# Altium PCB ToneReal_Adapter_v1.1.PcbDoc
Units mm, origin at the board's own origin, x right, y up, seen from the top; angles counter-clockwise.
Board outline 66 x 20 mm, 2 copper layers (Top Layer, Bottom Layer); 36 components, 22 nets, 142 pads, 37 vias.
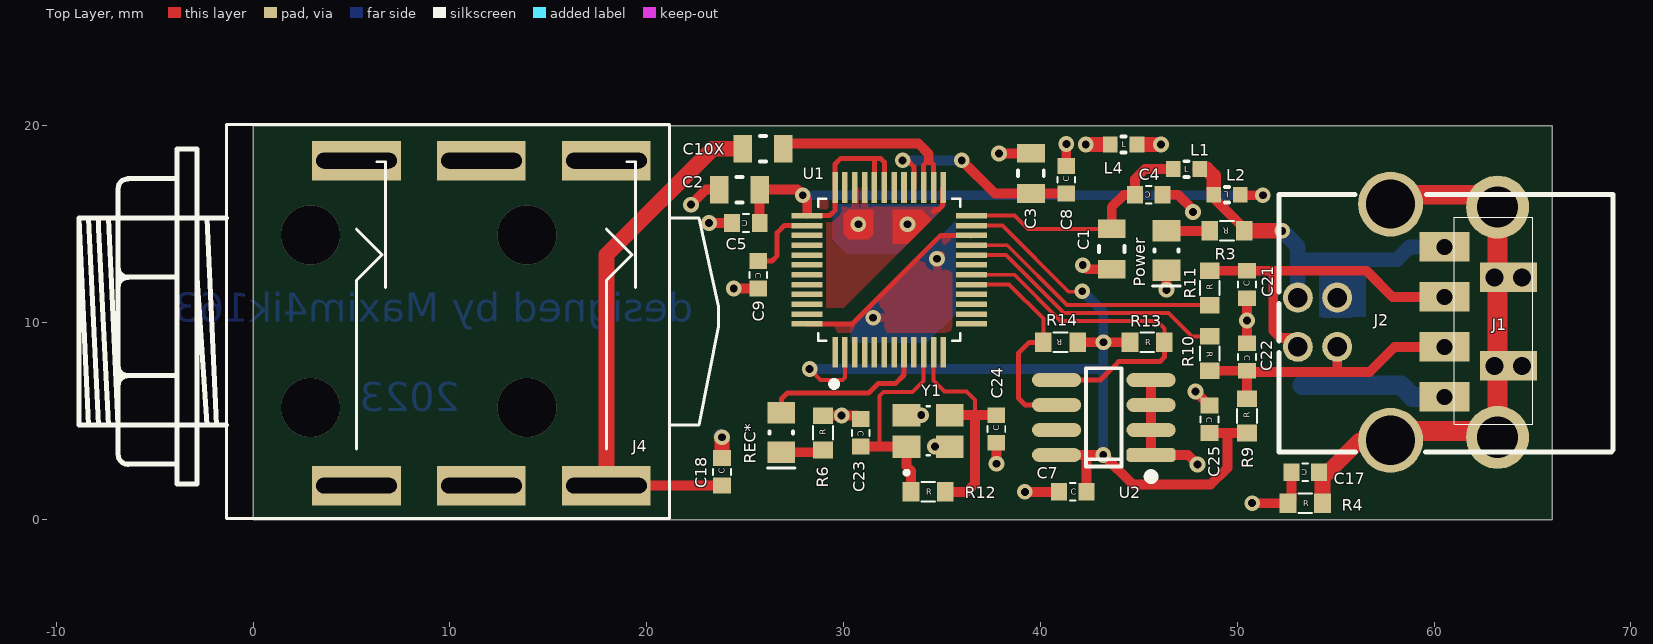
[diagram p0: Top Layer view]
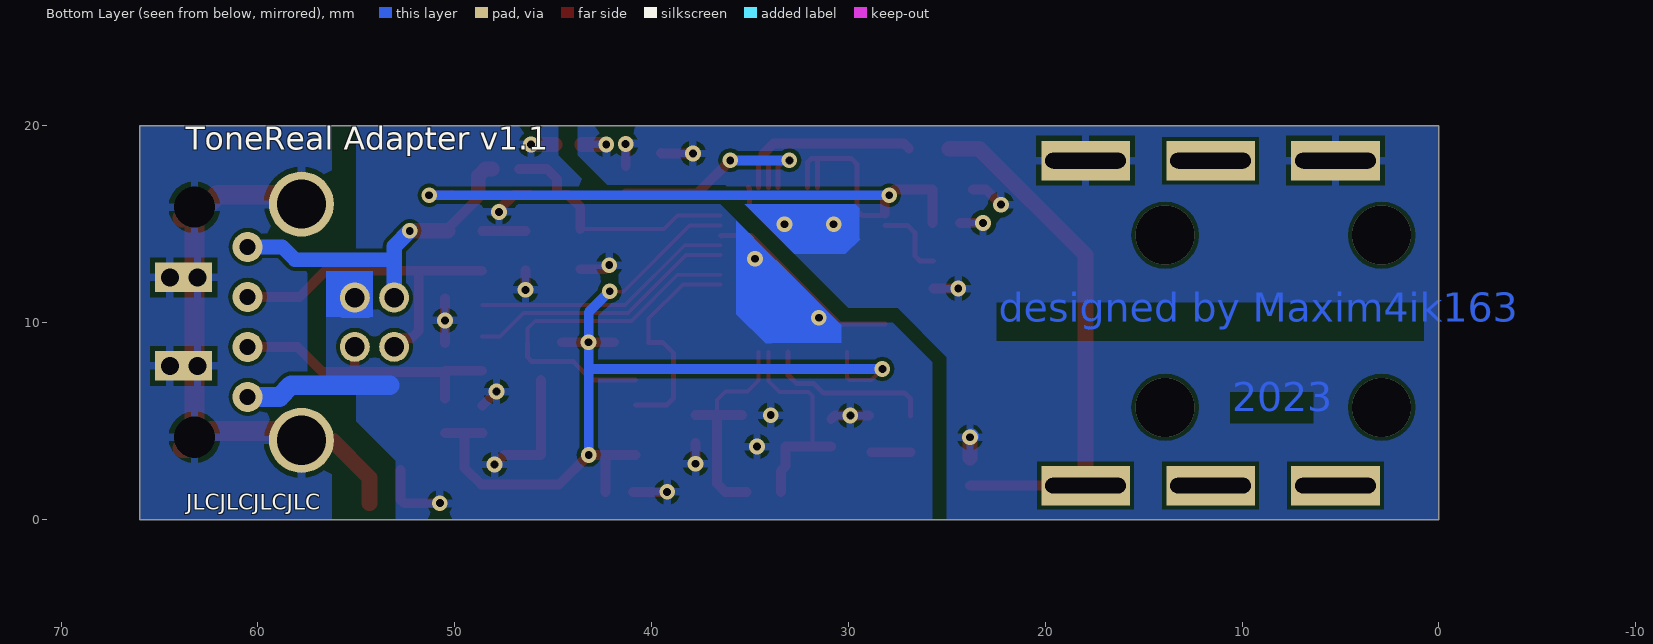
[diagram p1: Bottom Layer view, seen from below]

## Layer stack, top to bottom
Top Solder: solder mask 0.0102, Solder Resist, Dk 3.5
Top Layer: signal copper 0.0356
Dielectric1: dielectric 0.32, FR-4, Dk 4.8
Bottom Layer: signal copper 0.0356
Bottom Solder: solder mask 0.0102, Solder Resist, Dk 3.5

## Board outline
0,0 66,0 66,20 0,20

## Design rules (kind name [scope] priority, off if disabled: settings)
Clearance Clearance_1 [(IsRegion) vs (IsText)] p1: gap=0 ignorepadtopadclearanceinfootprint=FALSE
Clearance [All] p2: gap=0.2 ignorepadtopadclearanceinfootprint=FALSE except(0: Arc-Hole Track-Hole SMDPad-Hole THPad-Hole Via-Hole Fill-Hole Poly-Hole Region-Hole Text-Hole)
ComponentClearance [NOT(InComponent('J1') or InComponent('J2')) vs NOT(InComponent('J1') or InComponent('J2'))] p1: gap=0.254 collisioncheckmode=3 verticalgap=0.254 showdistances=FALSE
HoleSize [All] p1: absolutevalues=TRUE maxlimit=5 minlimit=0.025 maxpercent=80.000 minpercent=20.000
MinimumSolderMaskSliver [All] p1: minsoldermaskwidth=0.01
PlaneConnect [All] p1: planeconnectstyle=Relief reliefexpansion=0.508 reliefentries=4 reliefconductorwidth=0.4 reliefairgap=0.2
PolygonConnect [All] p1: connectstyle=Relief reliefconductorwidth=0.4 reliefentries=4 polygonreliefangle="90 Angle" airgapwidth=0.254
RoutingVias [All] p1: holewidth=0.711 width=1.27 viastyle="Through Hole" minholewidth=0.4 minwidth=0.8 maxholewidth=0.711 maxwidth=1.27
SilkToSilkClearance [All] p1: silktosilkclearance=0.054
SilkToSolderMaskClearance SilkscreenOverComponentPads [NOT(InComponent('J4'))] p1: minsilkscreentomaskgap=0.05 clearancetoexposedcopper=TRUE
SolderMaskExpansion [All] p1: expansion=0.102 istentingtop=FALSE
Width [All] p1: maxlimit=1 minlimit=0.2 preferedwidth=0.5 minimp=50.000000 maximp=50.000000 favimp=50.000000
24 further rules are at their usual default settings.

## Components (designator, comment, footprint, x,y, rotation, side; value= is the part's Value field where it differs from the comment)
C1 "22uF/6.3V" "CERCAP SMD0805 (IPC-2012)" 43.62,13.742 r90 top
C2 "22uF/6.3V" "CERCAP SMD0805 (IPC-2012)" 24.708,16.761 r180 top
C3 "22uF/6.3V" "CERCAP SMD0805 (IPC-2012)" 39.519,17.591 r90 top
C4 "100nF" "CERCAP SMD0603L (IPC1608L)" 45.504,16.498 r180 top
C5 "100nF" "CERCAP SMD0603L (IPC1608L)" 25.033,15.065 r180 top
C7 "100nF" "CERCAP SMD0603L (IPC1608L)" 41.642,1.406 r0 top
C8 "100nF" "CERCAP SMD0603L (IPC1608L)" 41.315,17.266 r90 top
C9 "1uF" "CERCAP SMD0603L (IPC1608L)" 25.667,12.433 r270 top
C10X "1uF" "CERCAP SMD0805 (IPC-2012)" 25.905,18.845 r0 top
C17 "4.7nF" "CERCAP SMD0603L (IPC1608L)" 53.455,2.401 r180 top
C18 "100pF" "CERCAP SMD0603L (IPC1608L)" 23.818,2.424 r90 top
C21 "100pF" "CERCAP SMD0603L (IPC1608L)" 50.494,11.942 r90 top
C22 "100pF" "CERCAP SMD0603L (IPC1608L)" 50.494,8.258 r270 top
C23 "20pF" "CERCAP SMD0603L (IPC1608L)" 30.871,4.406 r270 top
C24 "20pF" "CERCAP SMD0603L (IPC1608L)" 37.762,4.606 r90 top
C25 "100pF" "CERCAP SMD0603L (IPC1608L)" 48.586,5.092 r270 top
J1 "USB_A" USBA_1PLAG_NO_3D 60.524,13.85 r270 top
J2 "USB_B" USB-B 55.434,10.025 r270 top
J4 "ST-020/7-0085" "JACK6.3 - duplicate" 11.6,9.979 r90 top
L1 "BLM21PG221SN1" "BLM18P (0603L SIZE)" 47.417,17.804 r0 top
L2 "BLM21PG221SN1" "BLM18P (0603L SIZE)" 49.477,16.504 r180 top
L4 "BLM21PG221SN1" "BLM18P (0603L SIZE)" 44.227,19.053 r0 top
Power "*" SMDLED_0805 46.404,13.667 r90 top
R3 "4k7" "RES smd0603 (IPC-1608)" 49.477,14.667 r180 top
R4 "1M" "RES smd0603 (IPC-1608)" 53.455,0.832 r0 top
R6 "1k" "RES smd0603 (IPC-1608)" 28.951,4.406 r90 top
R9 "1k5" "RES smd0603 (IPC-1608)" 50.494,5.267 r90 top
R10 "22" "RES smd0603 (IPC-1608)" 48.608,8.433 r270 top
R11 "22" "RES smd0603 (IPC-1608)" 48.602,11.767 r90 top
R12 "1M" "RES smd0603 (IPC-1608)" 34.295,1.406 r0 top
R13 "2k2" "RES smd0603 (IPC-1608)" 45.422,9.007 r0 top
R14 "2k2" "RES smd0603 (IPC-1608)" 41.02,9.007 r180 top
REC* "REC*" SMDLED_0805 26.837,4.418 r90 top (schematic designator D1)
U1 "CM6327A" QFP50P900X900X160-48N 32.318,12.687 r90 top
U2 "24C02" SOIC-8 43.22,5.188 r180 top
Y1 "*" XTAL_3225 34.295,4.506 r90 top

## Footprints (in the part's own frame and the unit in brackets; to place one, negate y for a bottom-side part, rotate by r counter-clockwise, add the part's x,y. Pads: shape width x height; smd on the part's side, far side on the other; paste and mask are expansions set on the pad)
"BLM18P (0603L SIZE)" [mm] "Chip Inductor, 2-Leads, Body 1,6x0,8mm, IPC High Density"
  rect 0.75x0.8 smd: 1(-0.675,0) 2(0.675,0)
  silkscreen extent -0.1,-0.4 0.1,0.4, body extent -0.85,-0.43 0.85,0.43, height 0.8
"CERCAP SMD0603L (IPC1608L)" [mm] "Chip Capacitor, Body 1.6x0.8mm, IPC High Density"
  rect 0.8x0.9 smd: 1(-0.7,0) 2(0.7,0)
  silkscreen extent -0.15,-0.45 0.15,0.45, body extent -0.8,-0.4 0.8,0.4, height 0.9
"CERCAP SMD0805 (IPC-2012)" [mm] "Chip Capacitor, 2-Leads, Body 2,0x1,3mm, IPC Medium Density"
  rect 0.95x1.4 smd: 1(-1.025,0) 2(1.025,0)
  silkscreen extent -0.15,-0.65 0.15,0.65, body extent -1,-0.63 1,0.63, height 1.3
"JACK6.3 - duplicate" [mm]
  rect 2x4.5 hole 0.8 slot 4.1 at 90 deg: 1(-8.255,6.35) 2(-8.255,0) 3(-8.255,-6.35) 4(8.255,6.35) 5(8.255,0) 6(8.255,-6.35)
  silkscreen extent -9.93,-12.04 10.08,20.45, body extent -9.97,-12.3 10.07,20.4, height 15.49
QFP50P900X900X160-48N [mm]
  rect 1.56x0.28 smd: 1(-4.18,2.75) 2(-4.18,2.25) 3(-4.18,1.75) 4(-4.18,1.25) 5(-4.18,0.75) 6(-4.18,0.25) 7(-4.18,-0.25) 8(-4.18,-0.75) 9(-4.18,-1.25) 10(-4.18,-1.75) 11(-4.18,-2.25) 12(-4.18,-2.75) 25(4.18,-2.75) 26(4.18,-2.25) 27(4.18,-1.75) 28(4.18,-1.25) 29(4.18,-0.75) 30(4.18,-0.25) 31(4.18,0.25) 32(4.18,0.75) 33(4.18,1.25) 34(4.18,1.75) 35(4.18,2.25) 36(4.18,2.75)
  rect 0.28x1.56 smd: 13(-2.75,-4.18) 14(-2.25,-4.18) 15(-1.75,-4.18) 16(-1.25,-4.18) 17(-0.75,-4.18) 18(-0.25,-4.18) 19(0.25,-4.18) 20(0.75,-4.18) 21(1.25,-4.18) 22(1.75,-4.18) 23(2.25,-4.18) 24(2.75,-4.18) 37(2.75,4.18) 38(2.25,4.18) 39(1.75,4.18) 40(1.25,4.18) 41(0.75,4.18) 42(0.25,4.18) 43(-0.25,4.18) 44(-0.75,4.18) 45(-1.25,4.18) 46(-1.75,4.18) 47(-2.25,4.18) 48(-2.75,4.18)
  silkscreen extent -5.95,-3.6 3.6,3.6, body extent -4.5,-4.5 4.5,4.5, height 1.6
"RES smd0603 (IPC-1608)" [mm] "Chip Resistor, 2-Leads, Body 1,6x0,8mm, IPC Medium Density"
  rect 0.85x1 smd: 1(-0.875,0) 2(0.875,0)
  silkscreen extent -0.35,-0.5 0.35,0.5, body extent -0.8,-0.45 0.8,0.45, height 0.5
SMDLED_0805 [mm]
  rect 1.1x1.4 smd: 1(-1,0) 2(1,0)
  silkscreen extent -1.8,-0.7 0.05,0.7, body extent -1,-0.6 1,0.65, height 0.81
SOIC-8 [mm] "MAX522,SN65HVD11DR"
  rrect50% 2.5x0.7 smd: 1(-2.4,1.905)
  oval 2.5x0.7 smd: 2(-2.4,0.635) 3(-2.4,-0.635) 4(-2.4,-1.905) 5(2.4,-1.905) 6(2.4,-0.635) 7(2.4,0.635) 8(2.4,1.905)
  silkscreen extent -2.53,-2.5 0.9,3.13, body extent -2.99,-2.44 3.01,2.46, height 1.75
USB-B [mm]
  round 3.3 hole 2.5: 0(-6,2.355) 0(6,2.355)
  round 1.524 hole 1: 1(-1.25,-2.355) 2(1.25,-2.355) 3(1.25,-0.355) 4(-1.25,-0.355)
  silkscreen extent -6.5,-3.3 6.6,13.66, body extent -7.49,-3.8 7.45,12.7, height 11.25
USBA_1PLAG_NO_3D [mm]
  round 3.2 / inner round 1.524 / far side round 1.524 hole 2.1: 0(-2.025,2.7) 0(9.675,2.7)
  rect 1.499x1.499 hole 0.9: 0(1.549,3.946) 0(1.549,2.548) 0(6.044,2.548) 0(6.044,3.946)
  rect 1.5x2.54 / inner round 1.524 / far side round 1.524 hole 0.8: 1(0,0) 2(2.54,0) 3(5.08,0) 4(7.62,0)
  silkscreen extent -1.5,0.5 9,4.5
XTAL_3225 [mm]
  rect 1.15x1.4 smd: 1(-0.8,1.1) 2(-0.8,-1.1) 3(0.8,-1.1) 4(0.8,1.1)
  silkscreen extent -2.22,-0.08 1.25,1.2, body extent -1.6,-1.25 1.6,1.25, height 0.6

## Part data
C1 C2 C3 C4 C5 C7 C8 C9 C10X C17 C18 C21 C22 C23 C24 C25: library part "Cap Semi", "Capacitor (Semiconductor SIM Model)"
J1 J2: library part USB
J4: library part JACK6.3_MONO_R, "JACK6.3_MONO_R"
L1 L2 L4: library part INDUCT
Power REC*: library part LED0, "Typical INFRARED GaAs LED"
R3 R4 R6 R9 R10 R11 R12 R13 R14: library part RES, "Resistor"
U1: library part CM6327_1, "CM6327"
Y1: library part TSX-3225, "3225"

## Via types
v1: diameter 0.8, hole 0.4, Top Layer to Bottom Layer, tented both sides, 33 vias
v2: diameter 3, hole 3, Top Layer to Bottom Layer, 4 vias

## Nets (pads, with @x,y where several pads share a name; then routed paths per layer and width w, separated by ;. In a path a pad name is that pad's centre, name@x,y a point inside that pad or via, vN(x,y) a via of type N, cw(c..) or ccw(c..) an arc to the next point about the centre after c; other vN are vias at no path point)
AGND: C2.2 C3.2 C5.2 C8.2 C9.2 C18.2 J4.4 J4.6 L4.1 U1.25 U1.33 U1.34 | length 10.8
  Top Layer w0.25: 34.575,15.65 34.687,15.762 34.843,15.762 35.033,15.952 35.033,16.832 U1.25
  Top Layer w0.5: v1(22.25,16) 23.011,16.761 C2.2 ; v1(23.158,15.065) C5.2 ; v1(24.417,11.733) C9.2 ; v1(37.9,18.6) 39.503,18.6 C3.2 ; C8.2 v1(41.315,19.085)
  Top Layer w0.75: C18.2 v1(23.818,4.182) ; v1(42.303,19.053) L4.1
  Bottom Layer w0.75: v1@23.75,4.25 v1(23.818,4.182)
  other v1: 30.75,15 33.25,15
AVDD: C2.1 C5.1 L2.1 U1.31 U1.32 U1.36 U1.37 | length 38.9
  Top Layer w0.254: U1.37 29.287,15.437 29.568,15.718 U1.36 29.568,18.068 29.85,18.35 31.875,18.35 32.068,18.157 U1.31 ; U1.32 31.568,18.318
  Top Layer w0.5: C5.1 C2.1 27.664,16.761 27.938,16.488 28.15,16.275 U1.37@28.15,15.55 ; L2.1 50.181,16.475 v1(51.3,16.475)
  Bottom Layer w0.5: v1(27.925,16.475) v1(51.3,16.475)
D+: C22.2 J1.3 J2.3 R9.2 R10.2 | length 15.4
  Top Layer w0.5: R10.2 C22.2 ; R9.2 50.494,7.442 50.552,7.5 56.725,7.5 57.995,8.77 J1.3 ; 55.079,7.596 J2.3 J2.3@55.079,9.225
D-: C21.2 J1.2 J2.2 R11.2 | length 16.9
  Top Layer w0.5: R11.2 C21.2 51.825,12.642 ; J2.2@53.079,9.225 52.2,9.225 51.825,9.6 51.825,12.642 ; J1.2 57.89,11.31 56.558,12.642 51.825,12.642
DVDD5V: C1.2 C4.2 L1.1 U1.24 | length 12.9
  Top Layer w0.2: U1.24 38.688,15.437 39.358,14.767 C1.2
  Top Layer w0.5: C1.2 43.62,15.87 44.248,16.498 C4.2 44.804,17.304 45.304,17.804 L1.1
GND: C1.1 C4.1 C7.1 C17.2 C21.1 C22.1 C23.1 C24.1 C25.1 J1.4 J2.4 L4.2 Power.1 R4.1 R6.2 U1.22 U1.48 U2.1 U2.2 U2.3 U2.4 Y1.2 Y1.4 | length 43.2
  Top Layer w0.25: U1.48 30.437,9.937 34.937,14.437 U1.22 U1.22@36.463,14.402 ; v1(34.75,13.25) v1@35,13.5
  Top Layer w0.5: R6.2 v1(29.9,5.281) 30.696,5.281 C23.1 ; v1(37.762,2.838) C24.1 ; v1(39.206,1.406) C7.1 ; v1(42.15,12.925) 42.358,12.717 C1.1 ; U2.4 U2.3 U2.2 U2.1 47.492,3.283 v1(47.975,2.8) ; C4.1 47.002,16.498 47.75,15.75 v1(47.75,15.625) ; v1(46.404,11.671) Power.1 ; v1(47.878,6.5) C25.1 ; C22.1 v1(50.494,10.119) C21.1 ; v1(50.757,0.832) R4.1 52.755,1.007 C17.2 C17.2@52.755,2.526
  Top Layer w0.75: L4.2 v1(46.122,19.053)
  Bottom Layer w0.5: v1(37.762,2.838) v1@37.8,2.8 ; v1(46.404,11.671) v1@46.425,11.65 ; J2.4@55.079,11.725 J2.4 55.079,10.596 55.175,10.5
  Bottom Layer w1: 53.3,6.825 58.312,6.825 58.907,6.23 J1.4
  other v1: 34.645,3.706 33.945,5.306 31.5,10.25
INPUT+: C10X.1 C18.1 J4.3 | length 26.8
  Top Layer w0.5: J4.3 C18.1
  Top Layer w0.8: J4.3 17.95,13.45 23.345,18.845 C10X.1
NetC3_1: C3.1 C8.1 U1.28 | length 10.8
  Top Layer w0.25: v1(33,18.25) 33.25,18.25 33.568,17.932 U1.28
  Top Layer w0.5: v1(36,18.25) 37.684,16.566 C3.1 C8.1
  Bottom Layer w0.5: v1(33,18.25) v1(36,18.25)
NetC9_1: C9.1 U1.38 | length 3.9
  Top Layer w0.254: C9.1 26.358,13.133 26.625,13.4 26.625,14.575 26.987,14.937 U1.38
NetC10X_2: C10X.2 U1.26 U1.27 | length 11
  Top Layer w0.254: U1.27 34.068,18.018 34.325,18.275 34.568,18.032 U1.26
  Top Layer w0.5: C10X.2 27.186,19.1 33.8,19.1 34.325,18.575 34.325,18.275
NetD1_1: R6.1 REC*.1 | length 2
  Top Layer w0.5: REC*.1 R6.1@28.838,3.418
NetD1_2: REC*.2 U1.8 | length 8.8
  Top Layer w0.254: REC*.2@26.837,5.267 REC*.2 26.837,6.125 27.137,6.425 31.275,6.425 31.75,6.9 32.625,6.9 33.068,7.343 U1.8
NetPower_2: Power.2 R3.2 | length 2.2
  Top Layer w0.5: Power.2 R3.2
NetR10_1: R10.1 U1.20 | length 13.8
  Top Layer w0.2: U1.20 38.247,13.437 41.192,10.492 46.508,10.492 47.692,9.308 R10.1
NetR11_1: R11.1 U1.21 | length 13.4
  Top Layer w0.2: U1.21 38.313,13.937 41.358,10.892 R11.1
SCL: R14.2 U1.17 U2.6 | length 11.4
  Top Layer w0.2: U1.17 38.413,11.937 40.145,10.205 R14.2
  Top Layer w0.254: R14.2 39.432,9.007 38.875,8.45 38.875,6.175 39.227,5.823 U2.6
SDA: R13.2 U1.18 U2.5 | length 18.3
  Top Layer w0.2: U1.18 38.682,12.437 41.027,10.092 45.908,10.092 46.297,9.703 R13.2
  Top Layer w0.254: U2.5 43.043,7.093 43.975,8.025 46.075,8.025 46.297,8.247 R13.2
SHIELD: C17.1 J1.0 J2.0 R4.2 | length 33.7
  Top Layer w0.8: R4.2 54.33,2.13 54.378,2.178 56.225,4.025 57.789,4.025 J2.0@57.789,4.475
  Top Layer w1: J2.0@57.789,4.5 62.349,4.5 62.949,3.9 J1.0@63.224,3.625 ; J2.0@57.789,15.475 58.064,15.75 58.814,16.5 62.049,16.5 62.949,15.6 J1.0@63.224,15.325 ; J1.0@63.224,7.256 J1.0@63.224,4.625 ; J1.0@63.849,3.625 J1.0@63.224,3.625 ; J1.0@63.849,15.325 J1.0@63.224,15.325 ; J1.0@63.224,3.625 63.224,4.175 J1.0@63.224,4.625 ; J1.0@63.224,4.625 63.224,7.806 63.224,12.302 J1.0@63.224,15.325
VDD3.3V: C7.2 C25.2 R9.1 R13.1 R14.1 U1.2 U1.23 U2.8 | length 51.9
  Top Layer w0.2: v1(28.275,7.65) 28.825,7.1 29.95,7.1 30.068,7.218 U1.2 ; U1.23 38.062,14.937 41.424,11.575 42.102,11.575 v1(42.127,11.601)
  Top Layer w0.5: U2.8 42.452,3.283 ; R14.1 v1(43.202,9.007) R13.1 ; C7.2 42.342,3.173 42.452,3.283 ; C25.2 R9.1 ; 49.5,4.367 49.5,2.625 48.65,1.775 44.7,1.775 v1(43.192,3.283) 42.452,3.283
  Bottom Layer w0.5: v1(28.275,7.65) 43.192,7.65 ; v1(42.127,11.601) 43.192,10.536 43.192,8.997 43.192,7.65 ; v1(43.192,3.283) 43.192,7.65
VUSB: J1.1 J2.1 L1.2 L2.2 R3.1 | length 17.6
  Top Layer w0.5: L2.2 48.802,16.348 50.352,14.798 R3.1
  Top Layer w0.75: L1.2 48.446,17.804 48.802,17.448 L2.2
  Top Layer w0.8: R3.1 v1(52.283,14.667)
  Bottom Layer w0.75: 53.079,13.2 58.111,13.2 58.761,13.85 J1.1
  Bottom Layer w0.8: v1(52.283,14.667) 53.079,13.871 53.079,13.2 J2.1
XTAL_I: C23.2 R12.1 U1.10 Y1.1 | length 11.3
  Top Layer w0.2: 31.827,3.706 31.827,6.277 32.023,6.473 33.498,6.473 34.068,7.043 U1.10
  Top Layer w0.5: C23.2 31.827,3.706 Y1.1 33.195,2.705 33.42,2.48 R12.1
XTAL_O: C24.2 R12.2 U1.11 Y1.3 | length 12.3
  Top Layer w0.2: U1.11 34.568,7.057 35.125,6.5 36.25,6.5 36.677,6.073 36.677,5.306
  Top Layer w0.5: R12.2 36.256,1.406 36.677,1.827 36.677,5.306 ; Y1.3 36.677,5.306 ; C24.2 36.677,5.306
pads on no net: J4.1 J4.2 J4.5 U1.1 U1.3 U1.4 U1.5 U1.6 U1.7 U1.9 U1.12 U1.13 U1.14 U1.15 U1.16 U1.19 U1.29 U1.30 U1.35 U1.39 U1.40 U1.41 U1.42 U1.43 U1.44 U1.45 U1.46 U1.47 U2.7
copper on no net:
  other v2: 2.908,5.7 13.908,5.7 2.908,14.45 13.908,14.45

## Polygon pours and split planes (outlines as drawn)
GND on Bottom Layer "GND" (solid, remove dead copper, pour order 1009): 25.75,0 25.75,8 27.75,10 30.5,10 36.75,16.25 42.5,16.25 44.75,18.5 44.75,20 55,20 55,5 53.5,3.5 53,3 53,0 25.75,0
SHIELD on Bottom Layer "shield" (solid, remove dead copper, pour order 1007): 66,20 56.25,20 56.25,13.75 57.5,12.5 57.5,7.5 57.5,7.25 56.25,6 56.25,0 66,0 66,20
AGND on Bottom Layer "AGND" (solid, remove dead copper, pour order 1010): 25,0 25,8.25 27.5,10.75 30,10.75 36.25,17 42,17 42.25,17 43.75,18.5 43.75,20 0,20 0,0 25,0
GND on Bottom Layer "GND2" (solid, remove dead copper, pour order 1012): 53.079,13.2 56.425,13.2 56.525,13.1 56.525,6.825 53.4,6.825 53.079,6.825 53.079,13.2
AGND on Top Layer "aGND_top" (solid, pour order 1014): 35.068,15.818 29.75,10.5 28.75,10.5 28.75,16.25 35.5,16.25 35.068,15.818
GND on Top Layer "GND_top" (solid, remove dead copper, pour order 1016): 28.75,9.937 28.75,9 36,9 36,14.437 36,15.5 30.437,9.937 28.75,9.937

## Other copper
Top Layer:
  pour cut-out: 29,10.75 30,10.75 30.25,10.5 29,10.5
  region net AGND: 30.25,15.75 30,15.5 30,14.5 30.25,14.25 31.25,14.25 31.5,14.5 31.5,15.75
  region net AGND: 33.25,14 34.484,15.234 33.968,15.75 32.5,15.75 32.5,14
Bottom Layer:
  region net GND: 54.175,10.5 ccw(c54.425,10.5) 54.425,10.25 55.675,10.25 ccw(c55.675,10.5) 55.925,10.5 55.925,11.75 ccw(c55.175,11.75) 55.175,12.5 ccw(c55.175,11.5) 54.175,11.5
  pour cut-out: 0,23.5 0,-3.5 -1.5,-3.5 -1.5,23.5
  region net AGND: 32.751,13.501 30.149,13.501 29.4,14.25 29.45,14.3 29.45,15.825 29.641,16.016 35.266,16.016 34.226,14.976
  region net GND: 30.375,9.875 30.375,8.975 33.875,8.975 33.9,8.95 34.2,8.95 35.692,10.442 35.692,15.192
  region net GND: 56.525,12.614 54.17,12.614 54.17,10.305 56.525,10.305
  text "designed by Maxim4ik163" at 22.372,9.575 h2.5
  text "2023" at 10.5,5.011 h2.5

## Silkscreen, mask and mechanical layers (free items; w line width, h text height)
Bottom Overlay:
  text "ToneReal Adapter v1.1" at 63.657,18.412 h2
  text "JLCJLCJLCJLC" at 63.634,0.5 h0.8
Mechanical 3:
  the board outline again, w0.25
Mechanical 13:
  lines w0.2: 25,0 25,8.25 27.5,10.75 ; 25.75,0 25.75,8 27.75,10 30.5,10 32.75,12.25 36.75,16.25 42.545,16.25 44.592,18.297 ; 27.28,10.53 27.5,10.75 ; 30.25,11 36.25,17 42.197,17 43.75,18.553 43.75,20 ; 31.75,12.5 30,10.75 27.5,10.75 ; 43.991,17.696 44.75,18.455 44.75,20
  lines w0.3: 28.718,9.967 28.718,10.005

## Text inside footprints (layer, text, board x,y; h text height)
C4: Top Overlay "C" at 45.604,16.648 h0.3 r180
C5: Top Overlay "C" at 25.133,15.215 h0.3 r180
C7: Top Overlay "C" at 41.542,1.256 h0.3
C8: Top Overlay "C" at 41.465,17.166 h0.3 r90
C9: Top Overlay "C" at 25.517,12.533 h0.3 r270
C17: Top Overlay "C" at 53.555,2.551 h0.3 r180
C18: Top Overlay "C" at 23.968,2.324 h0.3 r90
C21: Top Overlay "C" at 50.644,11.842 h0.3 r90
C22: Top Overlay "C" at 50.344,8.358 h0.3 r270
C23: Top Overlay "C" at 30.721,4.506 h0.3 r270
C24: Top Overlay "C" at 37.912,4.506 h0.3 r90
C25: Top Overlay "C" at 48.436,5.192 h0.3 r270
L1: Top Overlay "L" at 47.317,17.654 h0.3
L2: Top Overlay "L" at 49.577,16.654 h0.3 r180
L4: Top Overlay "L" at 44.127,18.903 h0.3
R3: Top Overlay "R" at 49.577,14.817 h0.3 r180
R4: Top Overlay "R" at 53.355,0.682 h0.3
R6: Top Overlay "R" at 29.101,4.306 h0.3 r90
R9: Top Overlay "R" at 50.644,5.167 h0.3 r90
R10: Top Overlay "R" at 48.458,8.533 h0.3 r270
R11: Top Overlay "R" at 48.752,11.667 h0.3 r90
R12: Top Overlay "R" at 34.195,1.256 h0.3
R13: Top Overlay "R" at 45.322,8.857 h0.3
R14: Top Overlay "R" at 41.12,9.157 h0.3 r180